# Altium PCB ir-24v-shit5-7.PcbDoc (part 6 of 6)
Units mm, origin at the board's own origin, x right, y up, seen from the top; angles counter-clockwise.
Board outline 326.8 x 258 mm, 2 copper layers (Top Layer, Bottom Layer); 1190 components, 31 nets, 3220 pads, 0 vias.
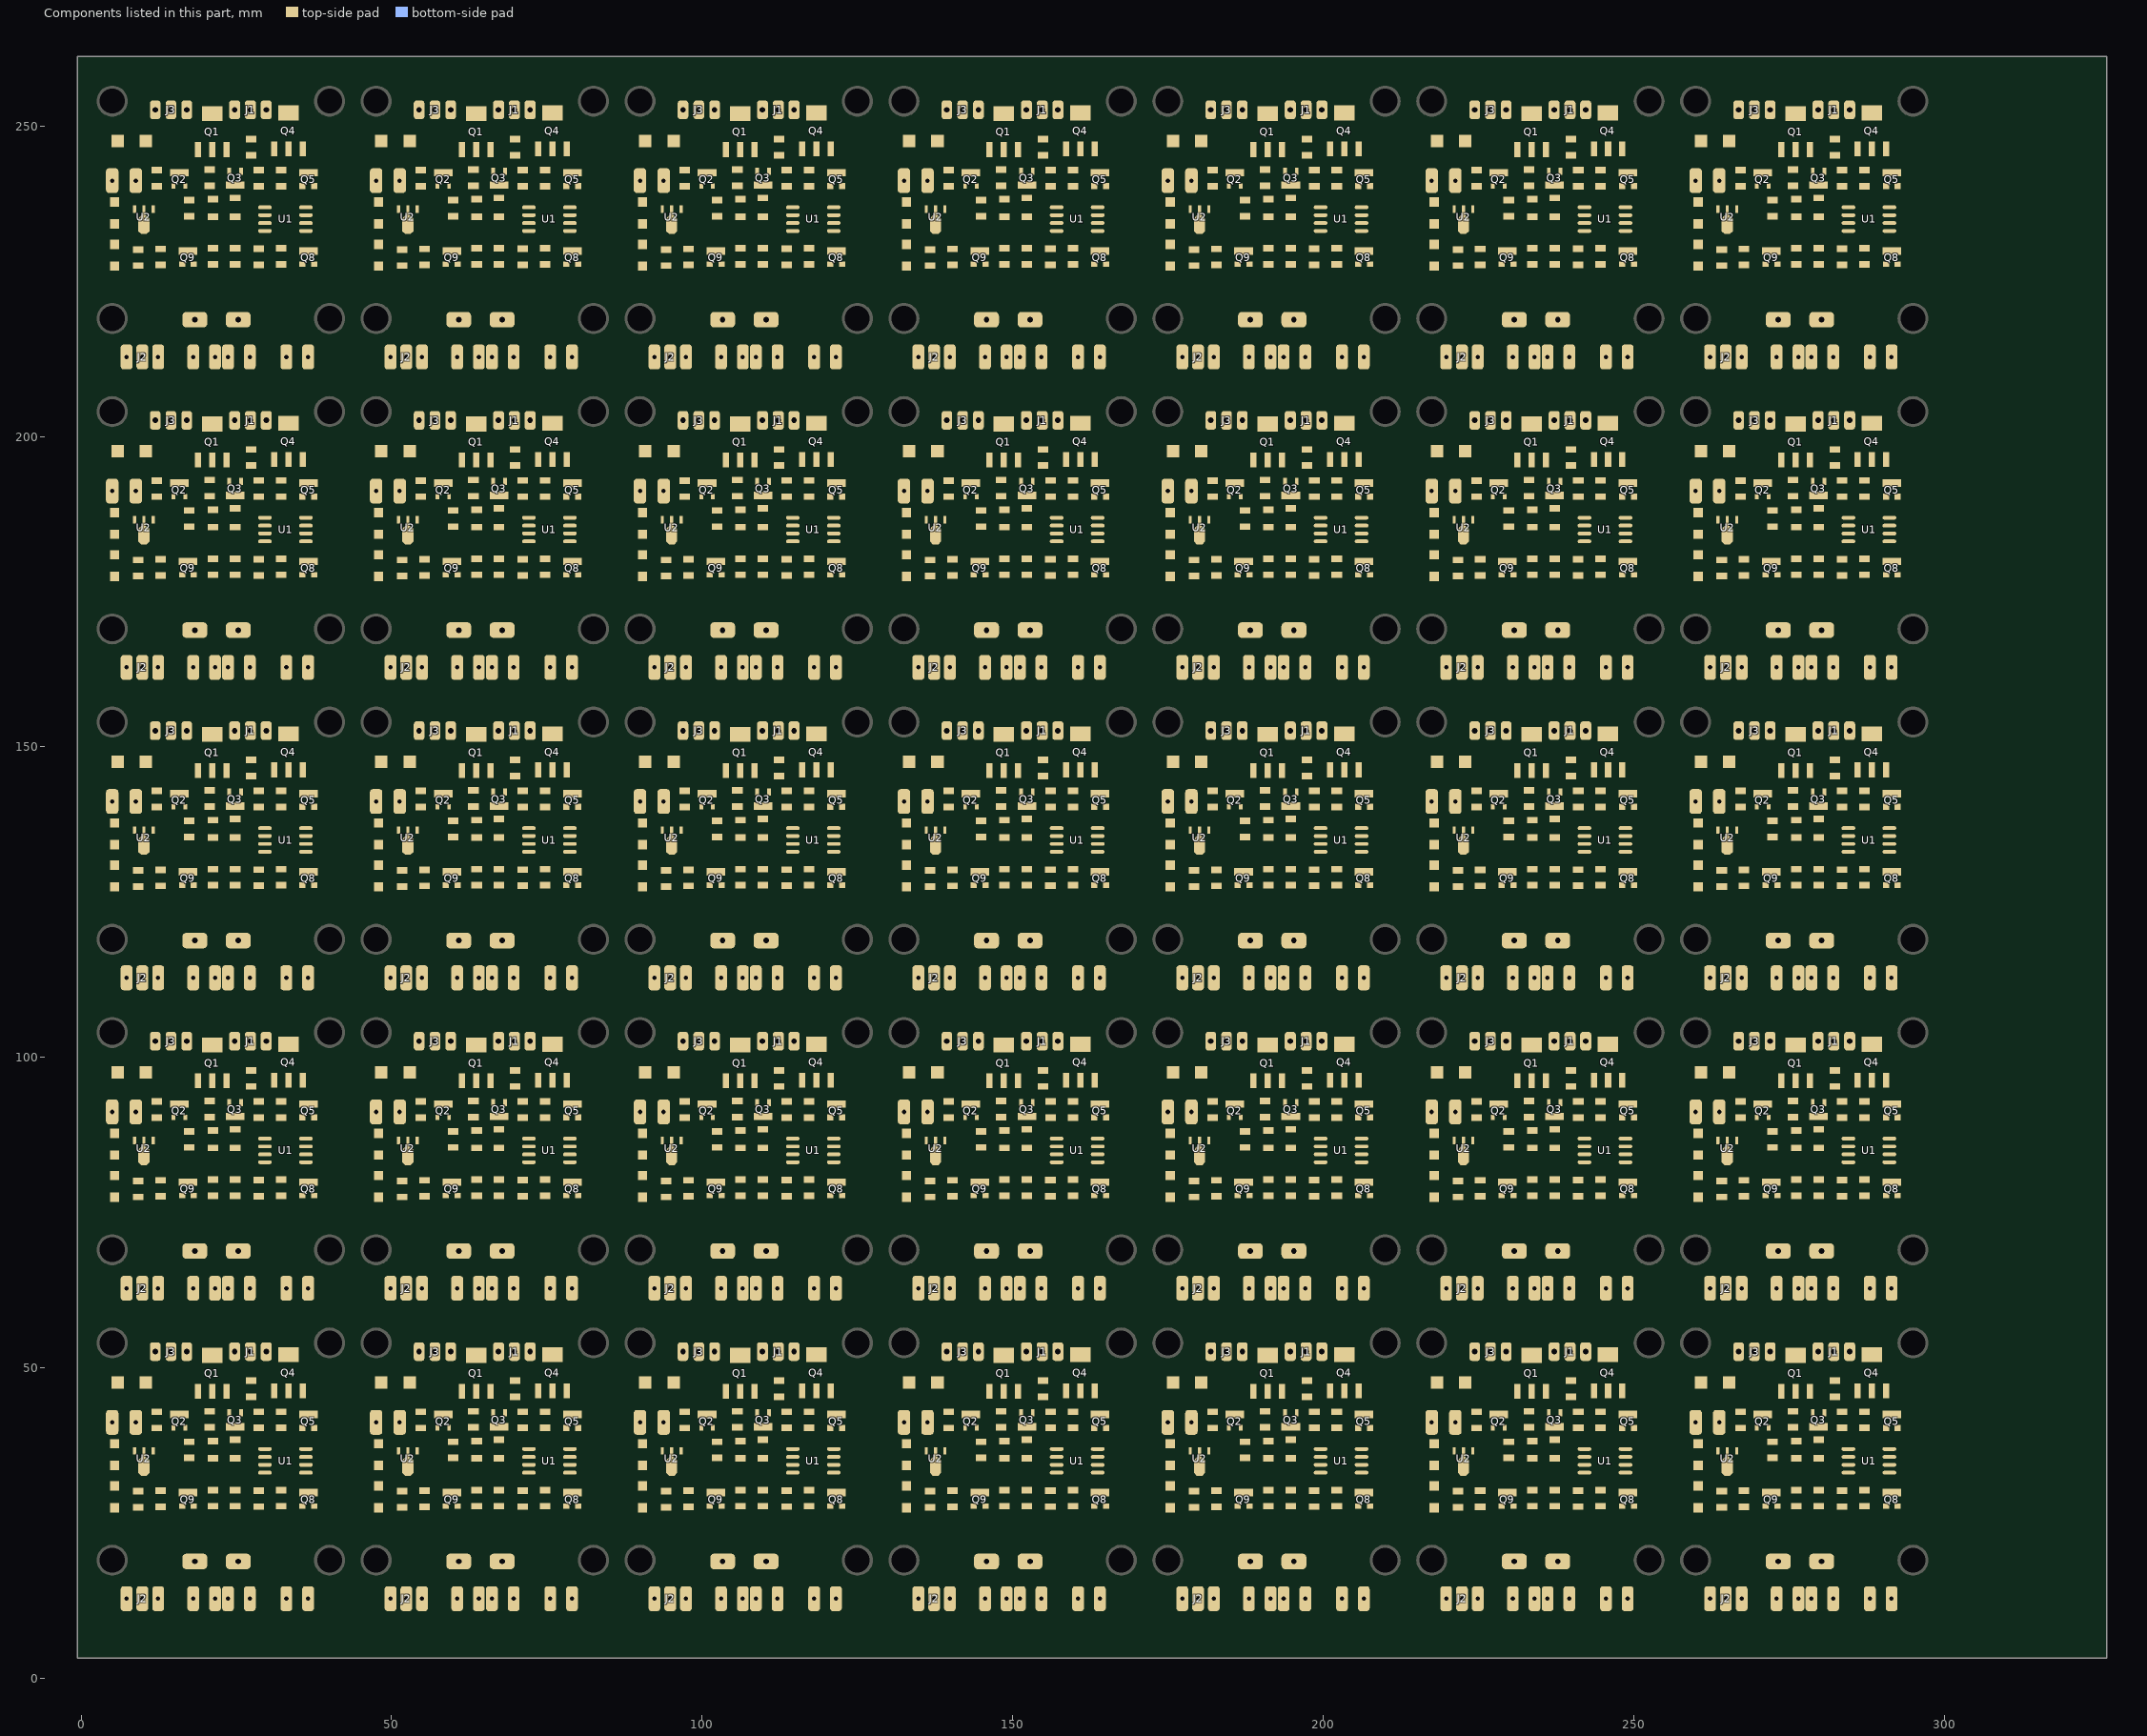
[diagram p6: the components of this part, seen from the top]

## Silkscreen, mask and mechanical layers (free items; w line width, h text height) (continued)
Bottom Overlay:
  drawing of 1925 lines, arcs and shapes, not listed
  text "+24" at 12.2,249.6 h1.3 r90
  text "GND" at 14.786,249.6 h1.3 r90
  text "KEY" at 17.4,249.6 h1.3 r90
  text "+24" at 54.7,249.6 h1.3 r90
  text "GND" at 57.286,249.6 h1.3 r90
  text "KEY" at 59.9,249.6 h1.3 r90
  text "+24" at 97.2,249.6 h1.3 r90
  text "GND" at 99.786,249.6 h1.3 r90
  text "KEY" at 102.4,249.6 h1.3 r90
  text "+24" at 139.7,249.6 h1.3 r90
  text "GND" at 142.286,249.6 h1.3 r90
  text "KEY" at 144.9,249.6 h1.3 r90
  text "+24" at 182.2,249.6 h1.3 r90
  text "GND" at 184.786,249.6 h1.3 r90
  text "KEY" at 187.4,249.6 h1.3 r90
  text "+24" at 224.7,249.6 h1.3 r90
  text "GND" at 227.286,249.6 h1.3 r90
  text "KEY" at 229.9,249.6 h1.3 r90
  text "+24" at 267.2,249.6 h1.3 r90
  text "GND" at 269.786,249.6 h1.3 r90
  text "KEY" at 272.4,249.6 h1.3 r90
  text "- KEY+" at 29.4,246.4 h1.52
  text "- KEY+" at 71.9,246.4 h1.52
  text "- KEY+" at 114.4,246.4 h1.52
  text "- KEY+" at 156.9,246.4 h1.52
  text "- KEY+" at 199.4,246.4 h1.52
  text "- KEY+" at 241.9,246.4 h1.52
  text "- KEY+" at 284.4,246.4 h1.52
  text "+24" at 12.2,199.6 h1.3 r90
  text "GND" at 14.786,199.6 h1.3 r90
  text "KEY" at 17.4,199.6 h1.3 r90
  text "+24" at 54.7,199.6 h1.3 r90
  text "GND" at 57.286,199.6 h1.3 r90
  text "KEY" at 59.9,199.6 h1.3 r90
  text "+24" at 97.2,199.6 h1.3 r90
  text "GND" at 99.786,199.6 h1.3 r90
  text "KEY" at 102.4,199.6 h1.3 r90
  text "+24" at 139.7,199.6 h1.3 r90
  text "GND" at 142.286,199.6 h1.3 r90
  text "KEY" at 144.9,199.6 h1.3 r90
  text "+24" at 182.2,199.6 h1.3 r90
  text "GND" at 184.786,199.6 h1.3 r90
  text "KEY" at 187.4,199.6 h1.3 r90
  text "+24" at 224.7,199.6 h1.3 r90
  text "GND" at 227.286,199.6 h1.3 r90
  text "KEY" at 229.9,199.6 h1.3 r90
  text "+24" at 267.2,199.6 h1.3 r90
  text "GND" at 269.786,199.6 h1.3 r90
  text "KEY" at 272.4,199.6 h1.3 r90
  text "- KEY+" at 29.4,196.4 h1.52
  text "- KEY+" at 71.9,196.4 h1.52
  text "- KEY+" at 114.4,196.4 h1.52
  text "- KEY+" at 156.9,196.4 h1.52
  text "- KEY+" at 199.4,196.4 h1.52
  text "- KEY+" at 241.9,196.4 h1.52
  text "- KEY+" at 284.4,196.4 h1.52
  text "+24" at 12.2,149.6 h1.3 r90
  text "GND" at 14.786,149.6 h1.3 r90
  text "KEY" at 17.4,149.6 h1.3 r90
  text "+24" at 54.7,149.6 h1.3 r90
  text "GND" at 57.286,149.6 h1.3 r90
  text "KEY" at 59.9,149.6 h1.3 r90
  text "+24" at 97.2,149.6 h1.3 r90
  text "GND" at 99.786,149.6 h1.3 r90
  text "KEY" at 102.4,149.6 h1.3 r90
  text "+24" at 139.7,149.6 h1.3 r90
  text "GND" at 142.286,149.6 h1.3 r90
  text "KEY" at 144.9,149.6 h1.3 r90
  text "+24" at 182.2,149.6 h1.3 r90
  text "GND" at 184.786,149.6 h1.3 r90
  text "KEY" at 187.4,149.6 h1.3 r90
  text "+24" at 224.7,149.6 h1.3 r90
  text "GND" at 227.286,149.6 h1.3 r90
  text "KEY" at 229.9,149.6 h1.3 r90
  text "+24" at 267.2,149.6 h1.3 r90
  text "GND" at 269.786,149.6 h1.3 r90
  text "KEY" at 272.4,149.6 h1.3 r90
  text "- KEY+" at 29.4,146.4 h1.52
  text "- KEY+" at 71.9,146.4 h1.52
  text "- KEY+" at 114.4,146.4 h1.52
  text "- KEY+" at 156.9,146.4 h1.52
  text "- KEY+" at 199.4,146.4 h1.52
  text "- KEY+" at 241.9,146.4 h1.52
  text "- KEY+" at 284.4,146.4 h1.52
  text "+24" at 12.2,99.6 h1.3 r90
  text "GND" at 14.786,99.6 h1.3 r90
  text "KEY" at 17.4,99.6 h1.3 r90
  text "+24" at 54.7,99.6 h1.3 r90
  text "GND" at 57.286,99.6 h1.3 r90
  text "KEY" at 59.9,99.6 h1.3 r90
  text "+24" at 97.2,99.6 h1.3 r90
  text "GND" at 99.786,99.6 h1.3 r90
  text "KEY" at 102.4,99.6 h1.3 r90
  text "+24" at 139.7,99.6 h1.3 r90
  text "GND" at 142.286,99.6 h1.3 r90
  text "KEY" at 144.9,99.6 h1.3 r90
  text "+24" at 182.2,99.6 h1.3 r90
  text "GND" at 184.786,99.6 h1.3 r90
  text "KEY" at 187.4,99.6 h1.3 r90
  text "+24" at 224.7,99.6 h1.3 r90
  text "GND" at 227.286,99.6 h1.3 r90
  text "KEY" at 229.9,99.6 h1.3 r90
  text "+24" at 267.2,99.6 h1.3 r90
  text "GND" at 269.786,99.6 h1.3 r90
  text "KEY" at 272.4,99.6 h1.3 r90
  text "- KEY+" at 29.4,96.4 h1.52
  text "- KEY+" at 71.9,96.4 h1.52
  text "- KEY+" at 114.4,96.4 h1.52
  text "- KEY+" at 156.9,96.4 h1.52
  text "- KEY+" at 199.4,96.4 h1.52
  text "- KEY+" at 241.9,96.4 h1.52
  text "- KEY+" at 284.4,96.4 h1.52
  text "+24" at 12.2,49.6 h1.3 r90
  text "GND" at 14.786,49.6 h1.3 r90
  text "KEY" at 17.4,49.6 h1.3 r90
  text "+24" at 54.7,49.6 h1.3 r90
  text "GND" at 57.286,49.6 h1.3 r90
  text "KEY" at 59.9,49.6 h1.3 r90
  text "+24" at 97.2,49.6 h1.3 r90
  text "GND" at 99.786,49.6 h1.3 r90
  text "KEY" at 102.4,49.6 h1.3 r90
  text "+24" at 139.7,49.6 h1.3 r90
  text "GND" at 142.286,49.6 h1.3 r90
  text "KEY" at 144.9,49.6 h1.3 r90
  text "+24" at 182.2,49.6 h1.3 r90
  text "GND" at 184.786,49.6 h1.3 r90
  text "KEY" at 187.4,49.6 h1.3 r90
  text "+24" at 224.7,49.6 h1.3 r90
  text "GND" at 227.286,49.6 h1.3 r90
  text "KEY" at 229.9,49.6 h1.3 r90
  text "+24" at 267.2,49.6 h1.3 r90
  text "GND" at 269.786,49.6 h1.3 r90
  text "KEY" at 272.4,49.6 h1.3 r90
  text "- KEY+" at 29.4,46.4 h1.52
  text "- KEY+" at 71.9,46.4 h1.52
  text "- KEY+" at 114.4,46.4 h1.52
  text "- KEY+" at 156.9,46.4 h1.52
  text "- KEY+" at 199.4,46.4 h1.52
  text "- KEY+" at 241.9,46.4 h1.52
  text "- KEY+" at 284.4,46.4 h1.52
Bottom Solder:
  lines w0.2: 1.4,7.8 43.8,7.8 43.8,57.6 1.4,57.6 1.4,7.8 ; 1.4,57.8 43.8,57.8 43.8,107.6 1.4,107.6 1.4,57.8 ; 1.4,107.8 43.8,107.8 43.8,157.6 1.4,157.6 1.4,107.8 ; 1.4,157.8 43.8,157.8 43.8,207.6 1.4,207.6 1.4,157.8 ; 1.4,207.8 43.8,207.8 43.8,257.6 1.4,257.6 1.4,207.8 ; 43.9,7.8 86.3,7.8 86.3,57.6 43.9,57.6 43.9,7.8 ; 43.9,57.8 86.3,57.8 86.3,107.6 43.9,107.6 43.9,57.8 ; 43.9,107.8 86.3,107.8 86.3,157.6 43.9,157.6 43.9,107.8 ; 43.9,157.8 86.3,157.8 86.3,207.6 43.9,207.6 43.9,157.8 ; 43.9,207.8 86.3,207.8 86.3,257.6 43.9,257.6 43.9,207.8 ; 86.4,57.6 128.8,57.6 128.8,7.8 86.4,7.8 86.4,57.6 ; 86.4,107.6 128.8,107.6 128.8,57.8 86.4,57.8 86.4,107.6 ; 86.4,157.6 128.8,157.6 128.8,107.8 86.4,107.8 86.4,157.6 ; 86.4,207.6 128.8,207.6 128.8,157.8 86.4,157.8 86.4,207.6 ; 86.4,257.6 128.8,257.6 128.8,207.8 86.4,207.8 86.4,257.6 ; 128.9,7.8 171.3,7.8 171.3,57.6 128.9,57.6 128.9,7.8 ; 128.9,57.8 171.3,57.8 171.3,107.6 128.9,107.6 128.9,57.8 ; 128.9,107.8 171.3,107.8 171.3,157.6 128.9,157.6 128.9,107.8 ; 128.9,157.8 171.3,157.8 171.3,207.6 128.9,207.6 128.9,157.8 ; 128.9,207.8 171.3,207.8 171.3,257.6 128.9,257.6 128.9,207.8 ; 171.4,7.8 213.8,7.8 213.8,57.6 171.4,57.6 171.4,7.8 ; 171.4,57.8 213.8,57.8 213.8,107.6 171.4,107.6 171.4,57.8 ; 171.4,107.8 213.8,107.8 213.8,157.6 171.4,157.6 171.4,107.8 ; 171.4,157.8 213.8,157.8 213.8,207.6 171.4,207.6 171.4,157.8 ; 171.4,207.8 213.8,207.8 213.8,257.6 171.4,257.6 171.4,207.8 ; 213.9,7.8 256.3,7.8 256.3,57.6 213.9,57.6 213.9,7.8 ; 213.9,57.8 256.3,57.8 256.3,107.6 213.9,107.6 213.9,57.8 ; 213.9,107.8 256.3,107.8 256.3,157.6 213.9,157.6 213.9,107.8 ; 213.9,157.8 256.3,157.8 256.3,207.6 213.9,207.6 213.9,157.8 ; 213.9,207.8 256.3,207.8 256.3,257.6 213.9,257.6 213.9,207.8 ; 256.4,7.8 298.8,7.8 298.8,57.6 256.4,57.6 256.4,7.8 ; 256.4,57.8 298.8,57.8 298.8,107.6 256.4,107.6 256.4,57.8 ; 256.4,107.8 298.8,107.8 298.8,157.6 256.4,157.6 256.4,107.8 ; 256.4,157.8 298.8,157.8 298.8,207.6 256.4,207.6 256.4,157.8 ; 256.4,207.8 298.8,207.8 298.8,257.6 256.4,257.6 256.4,207.8
Mechanical 1:
  the board outline again, w0.2

## Text inside footprints (layer, text, board x,y; h text height)
Buzzer1: Bottom Overlay "+" at 281.061,20.07 h1.52
Buzzer1: Bottom Overlay "+" at 281.061,70.07 h1.52
Buzzer1: Bottom Overlay "+" at 281.061,120.07 h1.52
Buzzer1: Bottom Overlay "+" at 281.061,170.07 h1.52
Buzzer1: Bottom Overlay "+" at 281.061,220.07 h1.52
Buzzer1: Bottom Overlay "+" at 238.561,20.07 h1.52
Buzzer1: Bottom Overlay "+" at 238.561,70.07 h1.52
Buzzer1: Bottom Overlay "+" at 238.561,120.07 h1.52
Buzzer1: Bottom Overlay "+" at 238.561,170.07 h1.52
Buzzer1: Bottom Overlay "+" at 238.561,220.07 h1.52
Buzzer1: Bottom Overlay "+" at 196.061,20.07 h1.52
Buzzer1: Bottom Overlay "+" at 196.061,70.07 h1.52
Buzzer1: Bottom Overlay "+" at 196.061,120.07 h1.52
Buzzer1: Bottom Overlay "+" at 196.061,170.07 h1.52
Buzzer1: Bottom Overlay "+" at 196.061,220.07 h1.52
Buzzer1: Bottom Overlay "+" at 153.561,20.07 h1.52
Buzzer1: Bottom Overlay "+" at 153.561,70.07 h1.52
Buzzer1: Bottom Overlay "+" at 153.561,120.07 h1.52
Buzzer1: Bottom Overlay "+" at 153.561,170.07 h1.52
Buzzer1: Bottom Overlay "+" at 153.561,220.07 h1.52
Buzzer1: Bottom Overlay "+" at 111.061,20.07 h1.52
Buzzer1: Bottom Overlay "+" at 111.061,70.07 h1.52
Buzzer1: Bottom Overlay "+" at 111.061,120.07 h1.52
Buzzer1: Bottom Overlay "+" at 111.061,170.07 h1.52
Buzzer1: Bottom Overlay "+" at 111.061,220.07 h1.52
Buzzer1: Bottom Overlay "+" at 68.561,20.07 h1.52
Buzzer1: Bottom Overlay "+" at 68.561,70.07 h1.52
Buzzer1: Bottom Overlay "+" at 68.561,120.07 h1.52
Buzzer1: Bottom Overlay "+" at 68.561,170.07 h1.52
Buzzer1: Bottom Overlay "+" at 68.561,220.07 h1.52
Buzzer1: Bottom Overlay "+" at 26.061,20.07 h1.52
Buzzer1: Bottom Overlay "+" at 26.061,70.07 h1.52
Buzzer1: Bottom Overlay "+" at 26.061,120.07 h1.52
Buzzer1: Bottom Overlay "+" at 26.061,170.07 h1.52
Buzzer1: Bottom Overlay "+" at 26.061,220.07 h1.52